# Altium PCB Audio_Player_V1.1.PcbDoc (part 2 of 2)
Units mil, origin at the board's own origin, x right, y up, seen from the top; angles counter-clockwise.
Board outline 1457.38 x 2657.34 mil, 2 copper layers (Top Layer, Bottom Layer); 114 components, 89 nets, 447 pads, 204 vias.
Unrouted connection lines stored in the file: 144.
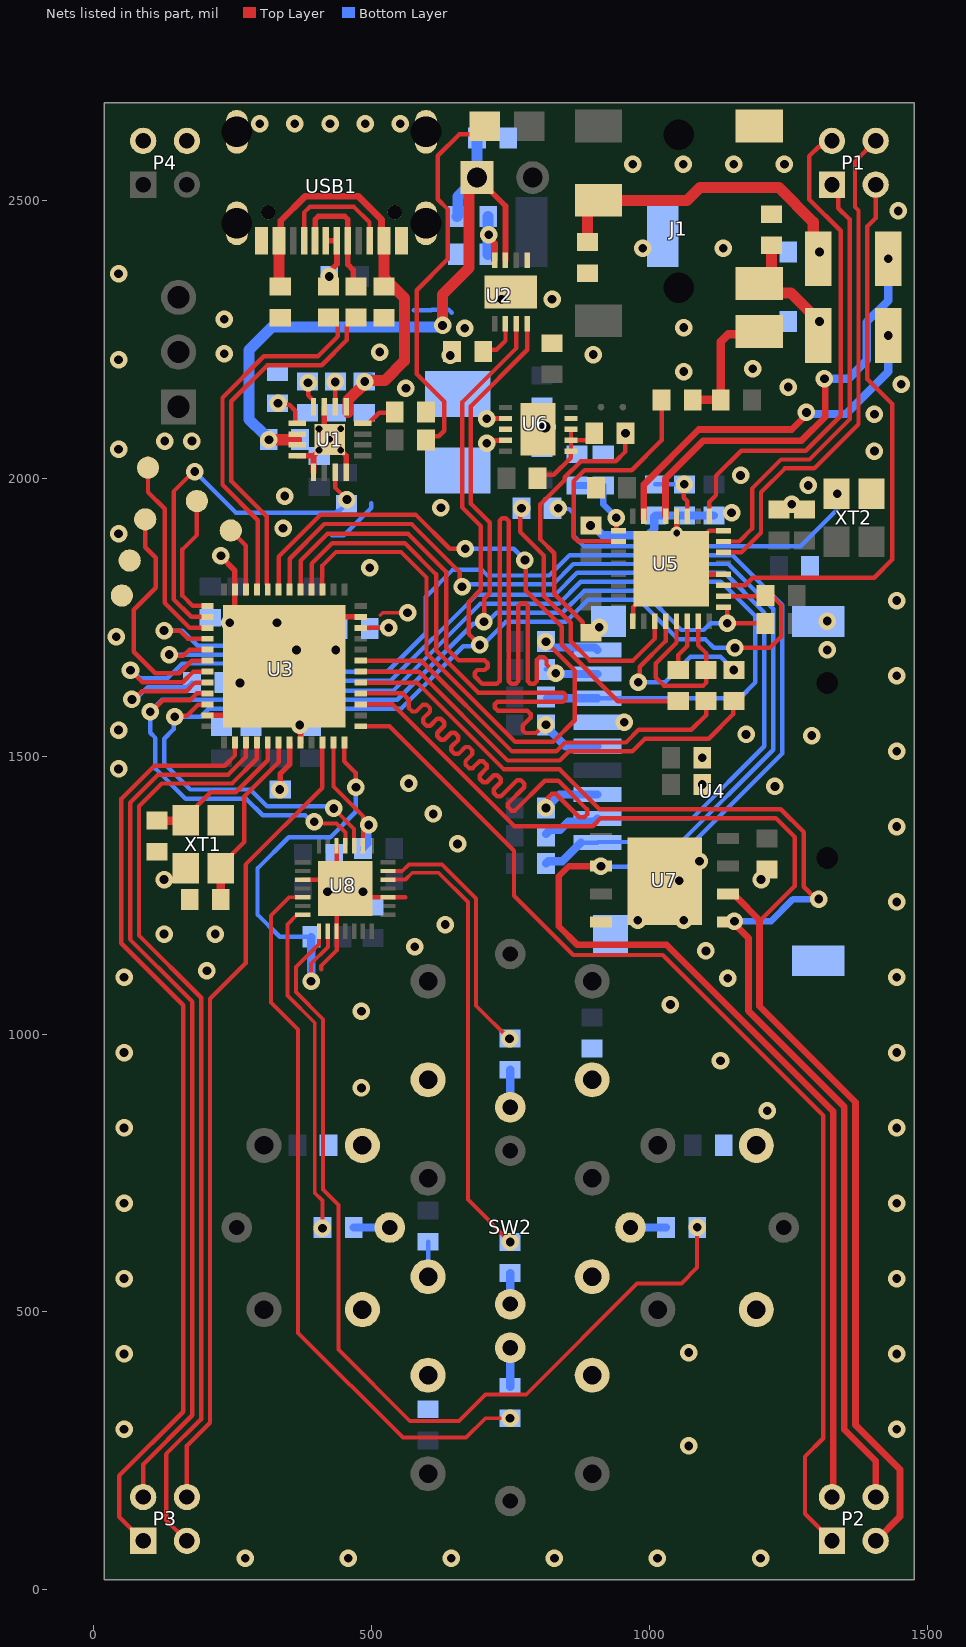
[diagram p2: the nets of this part, all layers, seen from the top]

## Via types
v1: diameter 31.5, hole 15.75, Top Layer to Bottom Layer, tented both sides, 197 vias
v2: diameter 11.81, hole 11.81, Top Layer to Bottom Layer, tented both sides, 5 vias
v3: diameter 39.37, hole 19.68, Top Layer to Bottom Layer, 1 vias
v4: diameter 23.62, hole 11.81, Top Layer to Bottom Layer, tented both sides, 1 vias

## Nets (pads, with @x,y where several pads share a name; then routed paths per layer and width w, separated by ;. In a path a pad name is that pad's centre, name@x,y a point inside that pad or via, vN(x,y) a via of type N, cw(c..) or ccw(c..) an arc to the next point about the centre after c; other vN are vias at no path point) (continued)
GND: C1.1 C2.1 C3.1 C4.1 C5.1 C7.1 C8.1 C9.1 C10.1 C11.1 C12.1 C13.1 C14.1 C15.2 C16.2 C17.2 C18.2 C19.2 C20.2 C21.2 C22.2 C23.2 C24.2 C25.2 C26.2 C27.2 C28.2 C29.2 C30.2 C31.2 C34.2 C35.1 C36.1 C37.1 C38.1 C39.1 C40.1 C41.1 C42.1 C43.1 C44.1 C45.1 C46.1 C47.1 C48.1 J1.2 P4.2 P4.4 R1.1 R2.1 R3.1 R4.1 R8.1 R24.2 R25.2 R28.1 R38.2 SW2.3 SW2.4 SW2.9 SW2.10 SW2.13 SW2.14 SW2.21 SW2.22 SW2.27 SW2.28 TP3.1 TP6.1 U1.4 U1.5 U1.8 U1.15 U1.17 U2.5 U2.9 U3.8 U3.23 U3.35 U3.47 U3.49 U4.6 U4.10 U4.11 U4.12 U4.13 U5.9 U5.20 U5.24 U5.28 U5.33 U6.3 U6.9 U6.11 U7.4 U7.9 U8.3 U8.10 U8.17 U8.26 U8.29 USB1.0 USB1.A1 USB1.B1 XT1.2 XT1.4 XT2.2 | length 2913.9
  Top Layer w6: 515.43,1753.25 520.17,1758 v1(565,1758)
  Top Layer w8: U3.49@254.42,1573.42 U3.49@343,1662 U3.49@254.42,1750.58 ; U8.3@376.23,1277.75 U8.29@437.25,1277.75 ; 409.38,1116.39 409.38,1122.62 437.25,1150.49 U8.10@437.25,1185.23 437.25,1246.25 U8.29@453,1262 ; U8.26@437.25,1338.77 U8.29@437.25,1277.75 ; 561.04,1245.72 560.51,1246.25 U8.17@529.77,1246.25 468.75,1246.25 U8.29@453,1262 ; C24.2@895,1722 892,1722 880,1734 880,1740.84 828.75,1792.09 828.75,1865.01 804,1889.76 804,1952.99 848,1996.99 848,2001.6 876.88,2030.48 939.48,2030.48 957,2048 v1(957,2081) ; U5.9@970.1,1742.51 971.02,1743.43 971.02,1768.4 975.09,1772.46 975.09,1773.09 U5.33@1039,1837 1048.84,1846.84 1107.71,1905.71 1133.3,1905.71 U5.24@1133.49,1905.9 ; U8.29@437.25,1277.75 U8.29@453,1262
  Top Layer w10: U3.47@205.2,1573.42 U3.49@254.42,1573.42 ; v1@229,1859 254.42,1833.58 U3.35@254.42,1799.8 U3.49@254.42,1750.58 ; U1.4@366.26,2040.16 395.79,2040.16 ; U3.8@372.53,1524.2 372.53,1632.47 U3.49@343,1662 431.58,1750.58 U3.23@480.8,1750.58 ; U1.5@395.79,2010.63 395.79,2040.16 ; U1.15@415.47,2128.74 415.47,2079.53 U1.17@425.31,2069.68 v2(405.63,2050) 395.79,2040.16 ; v2(445,2050) 454.84,2040.16 U1.8@454.84,2010.63 ; U5.33@1047.24,1903.31 v4(1049,1901.54) 1048.84,1901.39 U5.33@1048.84,1846.84 ; U5.28@1048.84,1931.49 1048.92,1931.41 1048.92,1904.99 1039,1895.07 U5.33@1039,1837 1048.84,1827.16 U5.20@1133.49,1827.16
  Bottom Layer w8: 429,1897 449.97,1897 500,1947.03 500,1955 ; 576,2302 607.37,2302 608.12,2302.75 639.49,2302.75 644.28,2297.96 ; SW2.3@601.9,563.42 601.9,626.3 C42.1@602,626.4
  Bottom Layer w15: v1(894,1915) 898.46,1915 915.81,1897.66 997.66,1897.66 1009,1909 1009,1931 C28.2@1011,1933 C29.2@1063.5,1933 C27.2@1116,1933
  other v1: 273,57 458.4,57 643.8,57 829.2,57 1014.6,57 1200,57 1071,259 55,289 1445,289 55,424.55 1445,424.55 1071,427 55,560.09 1445,560.09 55,695.64 1445,695.64 55,831.18 1445,831.18 1212,862 482,903 1128,952 55,966.73 1445,966.73 482,1041 1038,1053 1140.9,1100.51 55,1102.27 1445,1102.27 204,1114 1101.9,1149.51 578,1157 127,1180 219,1180 633,1197 979,1205 1062,1205 1445,1237.82 421,1256 485,1256 1054,1276 127,1278 1201,1278 1090,1311 655,1342 1445,1373.36 611,1396 1225.9,1445.51 1095,1449 567,1451 45,1477 1095,1497.1 1445,1508.91 1292,1537 1174,1539 45,1547 371,1556 955,1561 263.57,1631.57 1445,1644.45 365,1691 436,1691 1320,1691 41,1715 910,1732 245,1740 330,1740 1320,1743 1445,1780 497,1839 229.19,1860.42 45,1900 341,1910 1148,1938 625,1947 1256,1953 344,1968 1286,1987 1164,2005 1405,2049 45,2052 128,2067 177,2067 1405,2115 562,2162 1250,2164 1453,2169 1062,2192 1186,2197 45,2213 642,2221 898.9,2222.51 235,2224 515,2227 668,2270 1062,2271 235,2286 734,2322 825,2322 45,2368 988,2414 1133,2414 1448,2481 970,2565 1061,2565 1152,2565 1243,2565 299,2638 362.25,2638 425.5,2638 488.75,2638 552,2638
  other v2: 424.89,2070.3 405.63,2089.37 445,2089.37
  other v3: 812,2092
HEADPHONE_L: C32.2 C36.2 J1.4 R25.1 | length 240.9
  Top Layer w20: C36.2@1220,2419 1220,2372.42 1197.97,2350.39 J1.4@1197.69,2350.39 1215.04,2333.04 1254.96,2333.04 1287.88,2300.12 1287.88,2298.71 1304.59,2282 v1(1306,2282) ; C32.2@1304,2257 1305,2258 C32.2@1305,2282
HEADPHONE_R: C33.2 C35.2 J1.3 R24.1 | length 574.5
  Top Layer w20: C35.2@889,2425 889,2480.68 J1.3@908.31,2500 1068,2500 1091,2523 1232.87,2523 1294.81,2461.07 1294.81,2404.19 C33.2@1304,2395
  other v1: 1306,2407
HP_DETECT: R23.1 U5.2 | length 445.8
  Top Layer w8: U5.2@944.51,1886.21 943.72,1887 871.03,1887 864,1894.03 864,1994.97 883.51,2014.48 968.17,2014.48 1022,2068.3 R23.1@1022,2141
I2S_MCLK: R18.1 XT2.3 | length 620.5
  Bottom Layer w8: R18.1@826,1946 v1(836.25,1946) 836.25,1944.64 856.06,1944.64 864.16,1936.53 864.16,1895.9 882.33,1877.73 1271.89,1877.73 1338,1943.85 v1(1338,1972.06)
IO_INT: R29.2 U3.12 U8.9 | length 731.7
  Top Layer w7: v1(391.43,1095.1) 391.43,1126.59 421.5,1156.67 U8.9@421.5,1185.23
  Top Layer w8: U3.12@451.27,1524.2 451.27,1490.51 472,1469.77 v1(472,1444)
  Bottom Layer w8: R29.2@391.32,1174.32 R29.2@392,1175 335,1175 295,1215 295,1298 351.25,1354.25 426.25,1354.25 472,1400 v1(472,1444)
  Bottom Layer w15: R29.2@391.32,1174.32 391.71,1173.94 391.71,1095.39 v1(391.43,1095.1)
IO_RESET: R30.2 U3.11 U8.23 | length 264.5
  Top Layer w7: U3.11@431.58,1524.2 431.58,1445.11 484.5,1392.19 v1@484.5,1376.27 ; U8.23@484.5,1338.77 v1@484.5,1376.27 ; v1(495.18,1376.27) v1@484.5,1376.27
  Bottom Layer w12: R30.2@485,1334 493.69,1342.69 493.69,1374.79 v1(495.18,1376.27)
LCD_BL: P3.2 U3.3 | length 1600.4
  Top Layer w8: P3.2@89.26,167 89.26,225.75 177.55,314.04 177.55,1058.42 163.69,1072.28 65.77,1170.2 65.77,1416.4 116.2,1466.82 242.61,1466.82 274.1,1498.32 U3.3@274.1,1524.2
LCD_CS: P3.4 U3.10 | length 1458.2
  Top Layer w8: P3.4@168,167 168,259.23 209.55,300.78 209.55,1063.48 273.58,1127.5 273.58,1305.02 411.9,1443.34 U3.10@411.9,1524.2
LCD_DC: P3.3 U3.4 | length 1685.7
  Top Layer w8: P3.3@168,88.26 130.57,125.69 130.57,244.43 193.55,307.41 193.55,1065.55 81.77,1177.33 81.77,1409.77 122.82,1450.82 249.23,1450.82 293.69,1495.28 293.69,1524.1 U3.4@293.79,1524.2
LCD_RST: P3.1 U3.2 | length 1706.8
  Top Layer w8: P3.1@89.26,88.26 46,131.52 46,205.12 161.55,320.67 161.55,1051.8 49.77,1163.58 49.77,1423.02 109.57,1482.82 235.98,1482.82 254.42,1501.26 U3.2@254.42,1524.2
LED_CENTRE: R34.1 U8.19 | length 813.7
  Top Layer w7: U8.19@529.77,1277.75 560.96,1277.75 573.46,1290.25 620.6,1290.25 673.47,1237.38 673.47,702.07 v1(749.54,626)
LED_DOWN: R32.2 U8.5 | length 1315.4
  Top Layer w7: U8.5@376.23,1246.25 352.25,1246.25 319.08,1213.08 319.08,1056.92 368.06,1007.94 368.06,462.51 556.49,274.08 670.16,274.08 704.9,308.83 v1(749.3,308.83)
LED_LEFT: R33.1 U8.7 | length 607.3
  Top Layer w7: U8.7@376.23,1214.76 366.39,1214.76 349.08,1197.45 349.08,1069.35 398.06,1020.36 398.06,714.28 411.9,700.44 v1(411.9,650.46)
LED_RIGHT: R35.2 U8.8 | length 1687.2
  Top Layer w7: U8.8@405.76,1185.23 405.76,1162.13 364.08,1120.45 364.08,1075.56 413.06,1026.58 413.06,720.49 440.79,692.76 440.79,432.21 568.92,304.08 657.73,304.08 705.36,351.71 778.44,351.71 977.9,551.17 1057.49,551.17 1086.04,579.72 v1(1086.04,652.34)
LED_UP: R31.2 U8.20 | length 466.6
  Top Layer w7: U8.20@529.77,1293.5 555.5,1293.5 567.25,1305.25 608.75,1305.25 626.81,1305.25 688.47,1243.59 688.47,1050.95 v1@748.49,990.93
  other v1: 748.56,991.73
MICBIAS: C30.1 C31.1 U5.1 | length 141.4
  Top Layer w8: v1(940.35,1928.91) 940.35,1906.82 941.28,1905.9 U5.1@944.51,1905.9
  Bottom Layer w12: C30.1@870,1987 C31.1@917,1987 917,1953.28 940.35,1929.93 v1(940.35,1928.91)
NetC5_2: C5.2 R37.1 U2.8 | length 118.3
  Top Layer w12: v1(711,2438) 711,2432.72 721.47,2422.25 U2.8@721.47,2392.09
  Bottom Layer w20: C5.2@710,2403 R37.1@710,2471
NetC8_2: C8.2 R39.1 U6.6 U6.7 U6.8 | length 170.1
  Top Layer w8: R39.1@802,2001 807.09,2006.09 827.95,2006.09 858.46,2036.6 858.46,2048.04 U6.6@859.05,2048.64 U6.7@859.05,2068.32 ; U6.8@859.05,2088.01 U6.7@859.05,2068.32 ; C8.2@906.32,2068.32 U6.7@859.05,2068.32
NetC15_1: C15.1 U3.22 | length 84.7
  Top Layer w8: U3.22@480.8,1730.9 530.9,1730.9 v1(531,1731)
  Bottom Layer w8: C15.1@497,1730 498,1731 v1(531,1731)
NetC28_1: C28.1 C29.1 U5.27 | length 113.6
  Top Layer w8: v1(1063,1989) 1062,1988 1062,1965 1068.53,1958.47 U5.27@1068.53,1931.49
  Bottom Layer w8: C28.1@1011,1989 C29.1@1063.5,1989 v1(1063,1989)
NetC32_1: C32.1 U5.31 | length 655.7
  Top Layer w12: U5.31@990.1,1926.9 990.1,1988.83 1088.97,2087.7 1256.13,2087.7 1282.64,2114.21 v1(1282.64,2118.36)
  Bottom Layer w15: v1(1282.64,2118.36) 1285.47,2115.53 1353.53,2115.53 1429.98,2191.98 v1(1429.98,2257)
NetC33_1: C33.1 U5.29 | length 759.5
  Top Layer w12: U5.29@1029.16,1931.49 1029.16,1999.6 1097.26,2067.7 1274.06,2067.7 1316.43,2110.07 1316.43,2177.57 v1(1315,2179)
  Bottom Layer w15: v1(1315,2179) 1358,2179 1391,2212 1391,2280.79 1429.98,2319.77 v1(1429.98,2395)
NetJ1_6: J1.6 R22.1 R23.2 | length 231.9
  Top Layer w15: R23.2@1078,2141 R22.1@1128.58,2141 1128.58,2245.79 1141.65,2258.86 1192.77,2258.86 J1.6@1197.69,2263.78
NetL1_1: L1.1 U6.4 | length 35.7
  Top Layer w9: v1(707.44,2063.03) 713.53,2063.03 718.59,2068.1 740.72,2068.1 U6.4@740.94,2068.32
NetL1_2: L1.2 U6.2 | length 33.7
  Top Layer w9: v1(707.44,2107.11) 707.8,2107.47 740.72,2107.47 U6.2@740.94,2107.69
NetLD1_1: LD1.1 R6.1 | length 691.8
  Top Layer w8: R6.1@598,2069 604.53,2075.53 621.31,2075.53 631,2085.22 631,2137.97 581.43,2187.54 581.43,2338.23 637,2393.8 637,2484.28 619.47,2501.81 619.47,2580.1 658.37,2619 690,2619 LD1.1@704,2633
NetR1_2: R1.2 U1.1 | length 61.7
  Top Layer w8: v1(332,2135) 334.79,2132.21 352.45,2132.21 363,2121.66 363,2100.13 363.92,2099.21 U1.1@366.26,2099.21
NetR2_2: R2.2 U1.12 | length 66.2
  Top Layer w8: U1.12@484.37,2099.21 495.2,2099.21 513.98,2118 540.02,2118 R2.2@542,2116.02
NetR3_2: R3.2 U1.16 | length 47.3
  Top Layer w8: v1(386,2172) 386,2149.35 395.79,2139.57 U1.16@395.79,2128.74
NetR4_2: R4.2 U1.14 | length 44.7
  Top Layer w8: v1(435,2173.35) 435.08,2173.27 435.08,2128.82 U1.14@435.16,2128.74
NetR8_2: R8.2 U3.44 | length 269.7
  Top Layer w8: v1(69,1602) 72.06,1602 87.06,1617 167.25,1617 182.73,1632.47 U3.44@205.2,1632.47
  Bottom Layer w8: v1(69,1602) 75.36,1602 97.19,1623.83 168.57,1623.83 R8.2@177.2,1632.47
NetR18_2: R18.2 U5.11 | length 494
  Top Layer w8: v1@770,1949 767.68,1946.68 767.68,1903.45 810.17,1860.96 810.17,1788.05 858.41,1739.8 858.41,1706.62 893.04,1671.99 970.48,1671.99 1009.38,1710.89 1009.38,1742.42 U5.11@1009.47,1742.51
  other v1: 770,1946
NetR19_2: R19.2 U5.12 | length 330.9
  Top Layer w8: v1(980,1633) 982.78,1635.78 982.78,1660.75 1029.16,1707.12 U5.12@1029.16,1742.51
  Bottom Layer w8: v1(980,1633) 1028,1633 1074,1679 1128,1679 v1(1152,1655)
NetR20_2: R20.2 U5.13 U5.15 | length 331
  Top Layer w8: U5.13@1048.84,1742.51 1048.84,1704.18 1011.9,1667.24 1011.9,1641.4 1026.3,1627 1097.31,1627 1102,1631.69 R20.2@1102,1655 1102,1685.44 1088.21,1699.22 U5.15@1088.21,1742.51
NetR21_2: R21.2 U5.14 | length 94.4
  Top Layer w8: R21.2@1052,1655 1052,1682 1068.53,1698.53 U5.14@1068.53,1742.51
NetR28_2: R28.2 U2.2 | length 98.8
  Top Layer w8: R28.2@713,2243 701,2231 R28.2@701,2228 704,2231 725,2231 741.16,2247.16 U2.2@741.16,2277.91
NetR31_1: R31.1 SW2.24 | length 67.3
  Bottom Layer w15: SW2.24@749.54,868.54 R31.1@749.54,935.81
NetR32_1: R32.1 SW2.30 | length 70.5
  Bottom Layer w15: R32.1@749.54,365 SW2.30@749.54,435.46
NetR33_2: R33.2 SW2.12 | length 65
  Bottom Layer w15: R33.2@468,652 SW2.12@533,652
NetR34_2: R34.2 SW2.6 | length 55.8
  Bottom Layer w15: SW2.6@749.54,514.2 R34.2@749.54,570
NetR35_1: R35.1 SW2.18 | length 63.9
  Bottom Layer w15: SW2.18@966.07,652 R35.1@1030,652
nRST: R7.1 U3.7 | length 94.4
  Top Layer w10: v1(335,1440) 335.81,1440.81 335.81,1468.08 352.84,1485.12 U3.7@352.84,1524.2
  Bottom Layer w8: R7.1@334.19,1434.8 R7.1@336.19,1436.8
OSC_IN: C16.1 U3.5 XT1.1 | length 277.8
  Top Layer w8: XT1.1@166.01,1385 185.63,1404.62 185.63,1409.78 210.67,1434.82 255.86,1434.82 313.47,1492.44 U3.5@313.47,1524.2
  Top Layer w15: C16.1@114,1384 XT1.1@165.01,1384
OSC_OUT: C17.1 U3.6 XT1.3 | length 325.3
  Top Layer w8: XT1.3@229,1298.39 248.62,1318.01 248.62,1323.08 271.06,1345.52 271.06,1427.4 333.16,1489.49 U3.6@333.16,1524.2
  Top Layer w15: C17.1@229,1242 XT1.3@229,1298.39
PGOOD: R5.1 U1.7 U3.38 | length 696.8
  Top Layer w8: v1(182,2012) 179.9,2012 144,1976.1 144,1782.25 175.67,1750.58 U3.38@205.2,1750.58 ; U1.7@435.16,2010.63 435.15,1982.59 v1(456,1961.75)
  Bottom Layer w8: v1(182,2012) 255.75,1938.25 435.31,1938.25 439.06,1942 443,1942 R5.1@455,1954 455,1960.75 v1(456,1961.75)
SD_DETECT: R17.2 U3.27 U4.9 | length 1007.6
  Top Layer w8: U3.27@411.9,1799.8 411.9,1843 436.25,1867.35 553.21,1867.35 599.1,1821.46 599.1,1685.07 758.54,1525.63 826.77,1525.63 865.85,1564.7 865.85,1653.93 814,1705.77 v1(814,1706)
  Bottom Layer w15: v1(814,1706) 814,1704.07 822.5,1695.57 902.04,1695.57 U4.9@906.62,1691
SDIO_CLK: R14.2 U3.28 U4.5 | length 1121.7
  Top Layer w8: U3.28@392.21,1799.8 392.21,1845.94 429.62,1883.35 559.83,1883.35 616.25,1826.94 616.25,1690.54 692.4,1614.4 844.86,1614.4 849.55,1609.71 849.55,1603.08 844.47,1598 726.69,1598 722,1593.31 722,1587 727,1582 780.33,1582 786.35,1575.98 786.35,1569.35 772,1555 772,1546.31 776.69,1541.63 796,1541.63 810.75,1556.38 v1(814,1556.38)
  Bottom Layer w15: v1(814,1556.38) 814,1553.38 849.6,1517.77 U4.5@906.62,1517.77
SDIO_CMD: R13.2 U3.16 U4.3 | length 1121.5
  Top Layer w8: U3.16@480.8,1612.79 549.36,1612.79 556.13,1612.79 567.37,1601.54 567.37,1586.7 573.74,1580.34 580.1,1580.34 592.63,1592.87 599,1592.87 605.36,1586.51 605.36,1580.14 592.83,1567.61 592.83,1561.24 599.19,1554.88 605.56,1554.88 618.09,1567.41 624.45,1567.41 630.82,1561.05 630.82,1554.69 618.28,1542.15 618.28,1535.79 624.65,1529.42 631.01,1529.42 643.55,1541.96 649.91,1541.96 656.27,1535.59 656.27,1529.23 643.74,1516.7 643.74,1510.33 650.1,1503.97 656.47,1503.97 669,1516.5 675.37,1516.5 681.73,1510.14 681.73,1503.78 669.2,1491.24 669.2,1484.88 675.56,1478.51 681.92,1478.51 694.46,1491.05 700.82,1491.05 707.19,1484.68 707.19,1478.32 694.65,1465.78 694.65,1459.42 701.02,1453.06 707.38,1453.06 719.91,1465.59 726.28,1465.59 732.64,1459.23 732.64,1452.86 720.11,1440.33 720.11,1433.97 726.47,1427.6 732.84,1427.6 762.24,1457 768.6,1457 774.97,1450.64 774.97,1444.28 745.56,1414.87 745.56,1408.51 751.93,1402.15 758.29,1402.15 811.87,1455.72 836.49,1455.72 888,1404.21 888,1395 883.11,1390.11 873.89,1390.11 831.43,1432.57 824.8,1432.57 818.5,1426.27 818.5,1411.25 v1(814,1406.75)
  Bottom Layer w8: v1(814,1406.75) R13.2@814,1409.75
  Bottom Layer w15: R13.2@814,1409.75 822.5,1418.25 825.5,1418.25 838.4,1431.15 U4.3@906.62,1431.15
SDIO_D0: R15.2 U3.43 U4.7 | length 1932.3
  Top Layer w8: v1(66.52,1654.52) 88.03,1633 160.63,1633 179.78,1652.16 U3.43@205.2,1652.16
  Bottom Layer w8: v1(66.52,1654.52) 68.78,1654.52 82.95,1640.34 133.1,1640.34 159.5,1666.74 289.27,1666.74 338.12,1617.88 539.85,1617.88 539.85,1618.31 695.46,1773.91 836.77,1773.91 876.59,1813.73 1128.79,1813.73 1190.86,1751.66 1190.86,1632.73 1162.52,1604.38 U4.7@906.62,1604.38 ; R15.2@814,1606.25 R15.2@815.87,1604.38
  Bottom Layer w15: R15.2@815.87,1604.38 U4.7@906.62,1604.38
SDIO_D1: R16.2 U3.29 U4.8 | length 1795.4
  Top Layer w8: U3.29@372.53,1799.8 372.53,1851.42 420.99,1899.88 565.93,1899.88 634.25,1831.57 634.25,1695.18 657.17,1672.25 703.75,1672.25 709,1667 709,1660 704,1655 690.42,1655 685.74,1650.31 685.74,1643.69 699.02,1630.4 725.78,1630.4 730.46,1635.08 730.46,1923.54 735.15,1928.22 741.78,1928.22 747,1923 747,1635.01 751.62,1630.4 759.72,1630.4 764.41,1635.08 764.41,1770.31 769.09,1775 777.31,1775 781.1,1771.22 781.1,1635.08 785.78,1630.4 793.01,1630.4 797.7,1635.08 797.7,1673.57 802.38,1678.25 809.98,1678.25 814.98,1673.25 814.98,1664.95 830.99,1648.94 v1(831.59,1648.94)
  Bottom Layer w8: R16.2@814,1656 824.53,1656 v1(831.59,1648.94)
  Bottom Layer w15: v1(831.59,1648.94) 832.85,1647.68 U4.8@906.62,1647.68
SDIO_D2: R11.2 U3.30 U4.1 | length 1808.2
  Top Layer w8: U3.30@352.84,1799.8 352.84,1855.26 415.27,1917.68 572.14,1917.68 658.5,1831.32 658.5,1809.5 v1(663,1805)
  Bottom Layer w8: v1(663,1805) 667,1809 826.6,1809 863.34,1845.73 1142.04,1845.73 1222.86,1764.92 1222.86,1511.43 1057,1345.57 907.64,1345.57 U4.1@906.62,1344.55 U4.1@877.08,1344.55
  Bottom Layer w15: R11.2@814,1307 818.18,1311.18 843.71,1311.18 U4.1@877.08,1344.55
SDIO_D3: R12.2 U3.41 U4.2 | length 1972.8
  Top Layer w8: v1(136.26,1682.74) 138.43,1680.57 161.67,1680.57 172.63,1691.53 U3.41@205.2,1691.53
  Bottom Layer w8: v1(136.26,1682.74) 295.89,1682.74 342.68,1635.95 534.87,1635.95 688.97,1790.05 830.28,1790.05 869.96,1829.73 1135.42,1829.73 1206.86,1758.29 1206.86,1518.06 1076.65,1387.85 U4.2@906.62,1387.85
  Bottom Layer w15: R12.2@814,1359.88 821.92,1367.8 839.9,1367.8 853.84,1381.74 900.51,1381.74 U4.2@906.62,1387.85
SPEAK_LN: P1.1 U5.23 | length 795.6
  Top Layer w8: U5.23@1133.49,1886.21 1161.63,1886.21 1184.82,1909.4 1184.82,1981.59 1236.93,2033.7 1288.14,2033.7 1360.27,2105.83 1360.27,2465.73 1340,2486 1340,2516.74 P1.1@1328.48,2528.26
SPEAK_LP: P1.2 U5.25 | length 889.6
  Top Layer w8: U5.25@1107.9,1931.49 1107.9,1957.27 1119.87,1969.24 1119.87,2004.33 1165.24,2049.7 1281.51,2049.7 1344.27,2112.46 1344.27,2445.05 1287.82,2501.5 1287.82,2579.69 1304.62,2596.49 1307.35,2596.49 1317.86,2607 P1.2@1328.48,2607
SPEAK_RN: P1.3 U5.19 | length 1022.1
  Top Layer w8: U5.19@1133.49,1807.47 1172.47,1807.47 1186.2,1821.2 1404.6,1821.2 1437.17,1853.77 1437.17,2133.6 1392.27,2178.51 1392.27,2453.08 1407.22,2468.03 P1.3@1407.22,2528.26
SPEAK_RP: P1.4 U5.22 | length 908.8
  Top Layer w8: U5.22@1133.49,1866.53 1165.51,1866.53 1200.82,1901.84 1200.82,1974.55 1243.97,2017.7 1296.86,2017.7 1376.27,2097.11 1376.27,2481.73 1370,2488 1370,2569.78 P1.4@1407.22,2607
STM_I2C1_SCL: R26.2 U2.4 U3.45 U5.17 U8.25 | length 2493.5
  Top Layer w7: v1(397,1382) 400.32,1378.68 437.32,1378.68 453,1363 U8.25@453,1338.77
  Top Layer w8: v1@110,1586 124.69,1600.69 173.57,1600.69 185.67,1612.79 U3.45@205.2,1612.79 ; v1(702.5,1741.71) 702.73,1741.94 702.73,1782.86 712.75,1792.88 712.75,1920.55 679,1954.3 679,2129.73 780.53,2231.26 U2.4@780.53,2277.91 ; U5.17@1133.49,1768.1 1139.08,1768.1 1140,1767.18 v1(1140,1739) R26.2@1209,1739
  Bottom Layer w8: v1(397,1382) 392.33,1382 380.57,1393.76 304.24,1393.76 275,1423 166,1423 111.33,1477.67 111.33,1532.57 102,1541.9 v1(102,1580) 123.47,1601.47 546.31,1601.47 683.3,1738.46 699.25,1738.46 702.89,1742.11 702.89,1748 704.29,1746.6 713.75,1746.6 725.06,1757.91 843.4,1757.91 883.22,1797.73 987.01,1797.73 1057.74,1727 1098,1727 1110,1739 v1(1140,1739)
STM_I2C1_SDA: R27.2 U2.3 U3.46 U5.18 U8.24 | length 2642.8
  Top Layer w7: v1(432.23,1405.93) 432.23,1405.77 468.75,1369.25 U8.24@468.75,1338.77
  Top Layer w8: v1(146,1571) 147.37,1572.37 167.88,1572.37 188.35,1592.84 204.94,1592.84 U3.46@205.2,1593.1 ; v1(695,1700) 674.75,1720.25 674.75,1777.51 696.75,1799.51 696.75,1913.92 663,1947.67 663,2136.36 760.84,2234.2 U2.3@760.84,2277.91 ; U5.18@1133.49,1787.79 1186,1787.79 ; v1(1154,1694.75) 1216.72,1694.75 1237,1715.03 1237,1772 1221.21,1787.79 1186,1787.79 ; R27.2@1208,1788 1186.21,1788 1186,1787.79
  Bottom Layer w8: v1(432.23,1405.93) 428.4,1409.76 312.26,1409.76 282.02,1440 174,1440 127.33,1486.67 127.33,1531.53 144.01,1548.21 144.01,1569.01 v1(146,1571) 192.98,1571 207.45,1585.47 553.05,1585.47 665.25,1697.67 692.67,1697.67 v1(695,1700) 700.03,1700 741.94,1741.91 850.02,1741.91 889.85,1781.73 980.38,1781.73 1052.11,1710 1101,1710 1116,1695 1153.75,1695 v1(1154,1694.75)
STM_I2S5_CK: R19.1 U3.18 | length 794.7
  Top Layer w8: U3.18@480.8,1652.16 584.97,1652.16 744.9,1492.22 838.63,1492.22 854.96,1508.56 969.42,1508.56 992.19,1531.33 1106.64,1531.33 1151,1575.69 1151,1598 R19.1@1152,1599
STM_I2S5_SD: R21.1 U3.31 | length 998.7
  Top Layer w8: U3.31@333.16,1799.8 333.16,1859.11 408.05,1934 580,1934 641,1873 v1(669,1873) ; v1(776.25,1852.75) 777.98,1851.03 777.98,1797.61 842.17,1733.41 842.17,1700.23 943.4,1599 R21.1@1052,1599
  Bottom Layer w8: v1(669,1873) 756,1873 v1(776.25,1852.75)
STM_I2S5_WS: R20.1 U3.19 | length 741.1
  Top Layer w8: U3.19@480.8,1671.84 589.7,1671.84 753.03,1508.51 832.29,1508.51 848.34,1524.56 957.8,1524.56 980.57,1547.33 1075.58,1547.33 1102,1573.75 R20.1@1102,1599
STM_SPI1_MISO: P2.2 U3.40 U7.2 | length 3559
  Top Layer w8: v1@136,1726 155,1726 169.79,1711.21 U3.40@205.2,1711.21
  Top Layer w12: v1(913,1302) 855,1302 837,1284 837,1193.93 870.41,1160.52 1031.26,1160.52 1330.94,860.83 1330.94,169.46 P2.2@1328.48,167
  Bottom Layer w8: v1(127,1726) 160,1726 187.26,1698.74 302.52,1698.74 349.31,1651.95 528.25,1651.95 597.45,1721.16 597.45,1786.48 646.01,1835.04 698.79,1835.04 708.83,1825 819.98,1825 856.71,1861.73 1148.97,1861.73 1238.86,1771.84 1238.86,1504.8 1035.24,1301.19 v1@920.13,1301.19
STM_SPI1_MOSI: P2.4 U3.17 U7.5 | length 2366.7
  Top Layer w8: U3.17@480.8,1632.47 582.02,1632.47 738.31,1476.19 838.66,1476.19 910.24,1404.6 1236.4,1404.6 1277.52,1363.48 1277.52,1265.08 1299.81,1242.8 v1(1304.82,1242.8)
  Top Layer w12: U7.5@1141.35,1202 U7.5@1149.03,1202 ; v1(1153,1203) 1150.03,1203 U7.5@1149.03,1202 ; P2.4@1407.22,167 1407.22,231.95 1350.94,288.22 1350.94,869.12 1178.3,1041.76 1178.3,1172.86 1155.03,1196.13 1155.03,1198.16 1151.19,1202 U7.5@1149.03,1202
  Bottom Layer w12: v1(1153,1203) 1218.83,1203 1258.63,1242.8 v1(1304.82,1242.8)
STM_SPI1_SCK: P2.3 U3.15 U7.6 | length 2373.6
  Top Layer w8: U3.15@480.8,1593.1 538.34,1593.1 757.33,1374.11 898,1374.11 912.48,1388.6 1227.37,1388.6 1261.52,1354.45 1261.52,1266.24 1200.15,1204.87 1198.3,1204.87
  Top Layer w12: U7.6@1151.71,1251.48 1155.03,1248.16 1198.3,1204.87 1198.3,1050.05 1370.94,877.4 1370.94,296.55 1450.81,216.68 1450.81,131.85 P2.3@1407.22,88.26
STM_USART1_RX: TP4.1 U3.39 | length 367.5
  Top Layer w8: TP4.1@98,2035 98,1975.06 128,1945.06 128,1775.63 172.73,1730.9 U3.39@205.2,1730.9
STM_USART1_TX: TP5.1 U3.42 | length 420.5
  Top Layer w8: TP5.1@93,1926 93,1875.98 111.95,1857.04 111.95,1802.91 72.61,1763.57 72.61,1687.67 111.28,1649 154,1649 176.84,1671.84 U3.42@205.2,1671.84
STM_USB_N: R10.2 U3.32 | length 659.1
  Top Layer w8: U3.32@311.63,1809.78 311.63,1931.3 248,1994.93 248,2138.38 312.89,2203.27 410.46,2203.27 455.79,2248.59 455.79,2258.35 455.79,2275.79 469,2289 R10.2@472,2289 ; U3.32@312.16,1801.11 U3.32@313.47,1799.8
STM_USB_P: R9.2 U3.33 | length 659.4
  Top Layer w8: U3.33@293.79,1799.8 U3.33@295.1,1801.11 ; U3.33@295.63,1809.78 295.63,1924.67 232,1988.3 232,2145.01 306.26,2219.27 403.84,2219.27 439.79,2255.22 439.79,2264.98 439.79,2275.21 426,2289 R9.2@423,2289
SWCLK: TP1.1 U3.37 | length 233.8
  Top Layer w8: TP1.1@186,1959 186,1897.99 160,1871.99 160,1788.88 178.61,1770.27 U3.37@205.2,1770.27
SWDIO: TP2.1 U3.34 | length 129.4
  Top Layer w8: TP2.1@252,1920 252,1901 274.1,1878.9 U3.34@274.1,1799.8
USB_CC: USB1.A5 USB1.B5 | length 217.6
  Top Layer w8: USB1.B5@378.78,2427.22 378.78,2478.07 388.9,2488.19 468.67,2488.19 496.52,2460.34 496.52,2427.6 USB1.A5@496.89,2427.22
USB_N: R10.1 USB1.A7 USB1.B7 | length 228.5
  Top Layer w10: USB1.A7@398.46,2427.22 398.61,2427.37 398.61,2465.33 404.47,2471.19 451.82,2471.19 457.67,2465.33 457.67,2427.37 USB1.B7@457.52,2427.22 457.52,2384.48 467,2375 467,2350 R10.1@472,2345
USB_P: R9.1 R36.1 USB1.A6 USB1.B6 | length 126.9
  Top Layer w10: USB1.B6@418.15,2427.22 USB1.A6@437.83,2427.22 438,2427.06 438,2385.15 428.11,2375.27 428.11,2367.11 v1(424,2363) ; R9.1@423,2344 426,2344 R9.1@437,2355 ; R9.1@423,2345 426,2345 R9.1@437,2356
V_BAT: BT1.1 C2.2 C4.2 R37.2 U1.2 U1.3 U2.7 | length 1211.5
  Top Layer w10: BT1.1@690,2541 728,2503 741.16,2489.84 U2.7@741.16,2392.09
  Top Layer w20: v1(315.57,2069.28) 365.28,2069.28 ; v1(628,2275) 627.69,2275.31 627.69,2330.75 675.52,2378.58 675.52,2526.52 BT1.1@690,2541
  Bottom Layer w20: v1(315.57,2069.28) 315.57,2072.43 309.32,2078.68 307.26,2078.68 280,2105.95 280,2231 321.28,2272.28 617.16,2272.28 617.67,2272.8 625.8,2272.8 v1(628,2275) ; R37.2@654,2471 655.71,2472.71 655.71,2506.71 BT1.1@690,2541 C4.2@690,2612
V_IN: C1.2 C18.1 C19.1 U1.13 USB1.A4 USB1.B4 | length 775.3
  Top Layer w8: U1.13@454.84,2128.74 U1.13@455.76,2129.66
  Top Layer w12: USB1.B4@333.5,2427.22 336.85,2430.57 336.85,2463.15 381.25,2507.55 475.83,2507.55 518.16,2465.22 518.16,2431.54 USB1.A4@522.48,2427.22
  Top Layer w20: USB1.B4@333.5,2427.22 333.47,2347.32 C18.1@336,2344.79 ; U1.13@458.08,2118.72 458.08,2140.97 488,2170.89 v1(488,2174) 490.2,2176.2 524.2,2176.2 559.43,2211.43 559.43,2324.02 522.46,2361 USB1.A4@522.48,2427.22
  Bottom Layer w20: v1(488,2174) 490.08,2174 C1.2@496,2179.92
VOLUME: P2.1 U3.13 | length 1968.4
  Top Layer w8: U3.13@480.8,1553.73 532.46,1553.73 756.53,1329.66 756.53,1248.95 863.23,1142.25 1024.07,1142.25 1312.94,853.38 1312.94,272.81 1280,239.86 1280,136.74 P2.1@1328.48,88.26
pads on no net: J1. J1.1 J1.5 SW1.1 SW2. U2. U2.1 U3. U3.20 U3.21 U3.25 U4.14 U4.15 U5. U5.3 U5.4 U5.5 U5.6 U5.7 U5.16 U5.30 U6. U8. U8.11 U8.15 U8.16 U8.21 U8.22 U8.27 U8.28 USB1.A8 USB1.B8

## Polygon pours and split planes (outlines as drawn)
GND on Top Layer "GND_TOP" (solid, remove dead copper, pour order 0): 19,2676 1478,2676 1478,18 19,18
GND on Top Layer "GND_BOTTOM" (solid, remove dead copper, pour order 3): 392,1889 595,1889 595,1642 598,1639 404,1639
GND on Bottom Layer "GND_BOTTOM" (solid, remove dead copper, pour order 2): 19,2676 1478,2676 1478,18 19,18

## Keep-outs
Keep-Out Layer:
  lines w20: 0.41,-0.02 1496.08,-0.02 1496.08,2694.07 0.41,2694.07 0.41,-0.02

## Other copper
Top Layer:
  region net 3V3: 922.84,2147.68 922.84,2199 990,2199 990,2107.95 922.84,2108.32 942.53,2128
  region net 4V4: 730,2007 730,2048.64 756,2048.64 756,2007
  region net 3V3+: 824,2205 866,2205 913,2158 913,2108.31 889,2108.31 888.99,2152.01 871,2170 824,2170
  region net 3V3+: 888.99,2108.31 875.31,2122 846,2122 846,2148 824,2170 871,2170 888.99,2152.01
  region net 3V3+: 753,2122 728,2122 728,2155 778,2205 845,2205 845,2167 781,2167 753,2139
Bottom Layer:
  region net 3V3: 1014,2199 1014,2108 922,2108 923,2109 922,2108 922,2199

## Silkscreen, mask and mechanical layers (free items; w line width, h text height)
Top Overlay:
  text "RX" at 126,2001 h30
  text "CLK" at 217,1946 h30
  text "DIO" at 278,1891 h30
  text "TX" at 114,1875 h30
  text "GND" at 78,1799 h30
  text "Audio_Player_V1.1" at 1418.96,899 h80 r90
  text "Anfield" at 148.75,582 h120 r90

## Text inside footprints (layer, text, board x,y; h text height)
BT1: Top Overlay "+" at 659,2455 h30